# Allegro board 1155001-Timing_board_V3_20241024_1805_pcb.brd (continued)
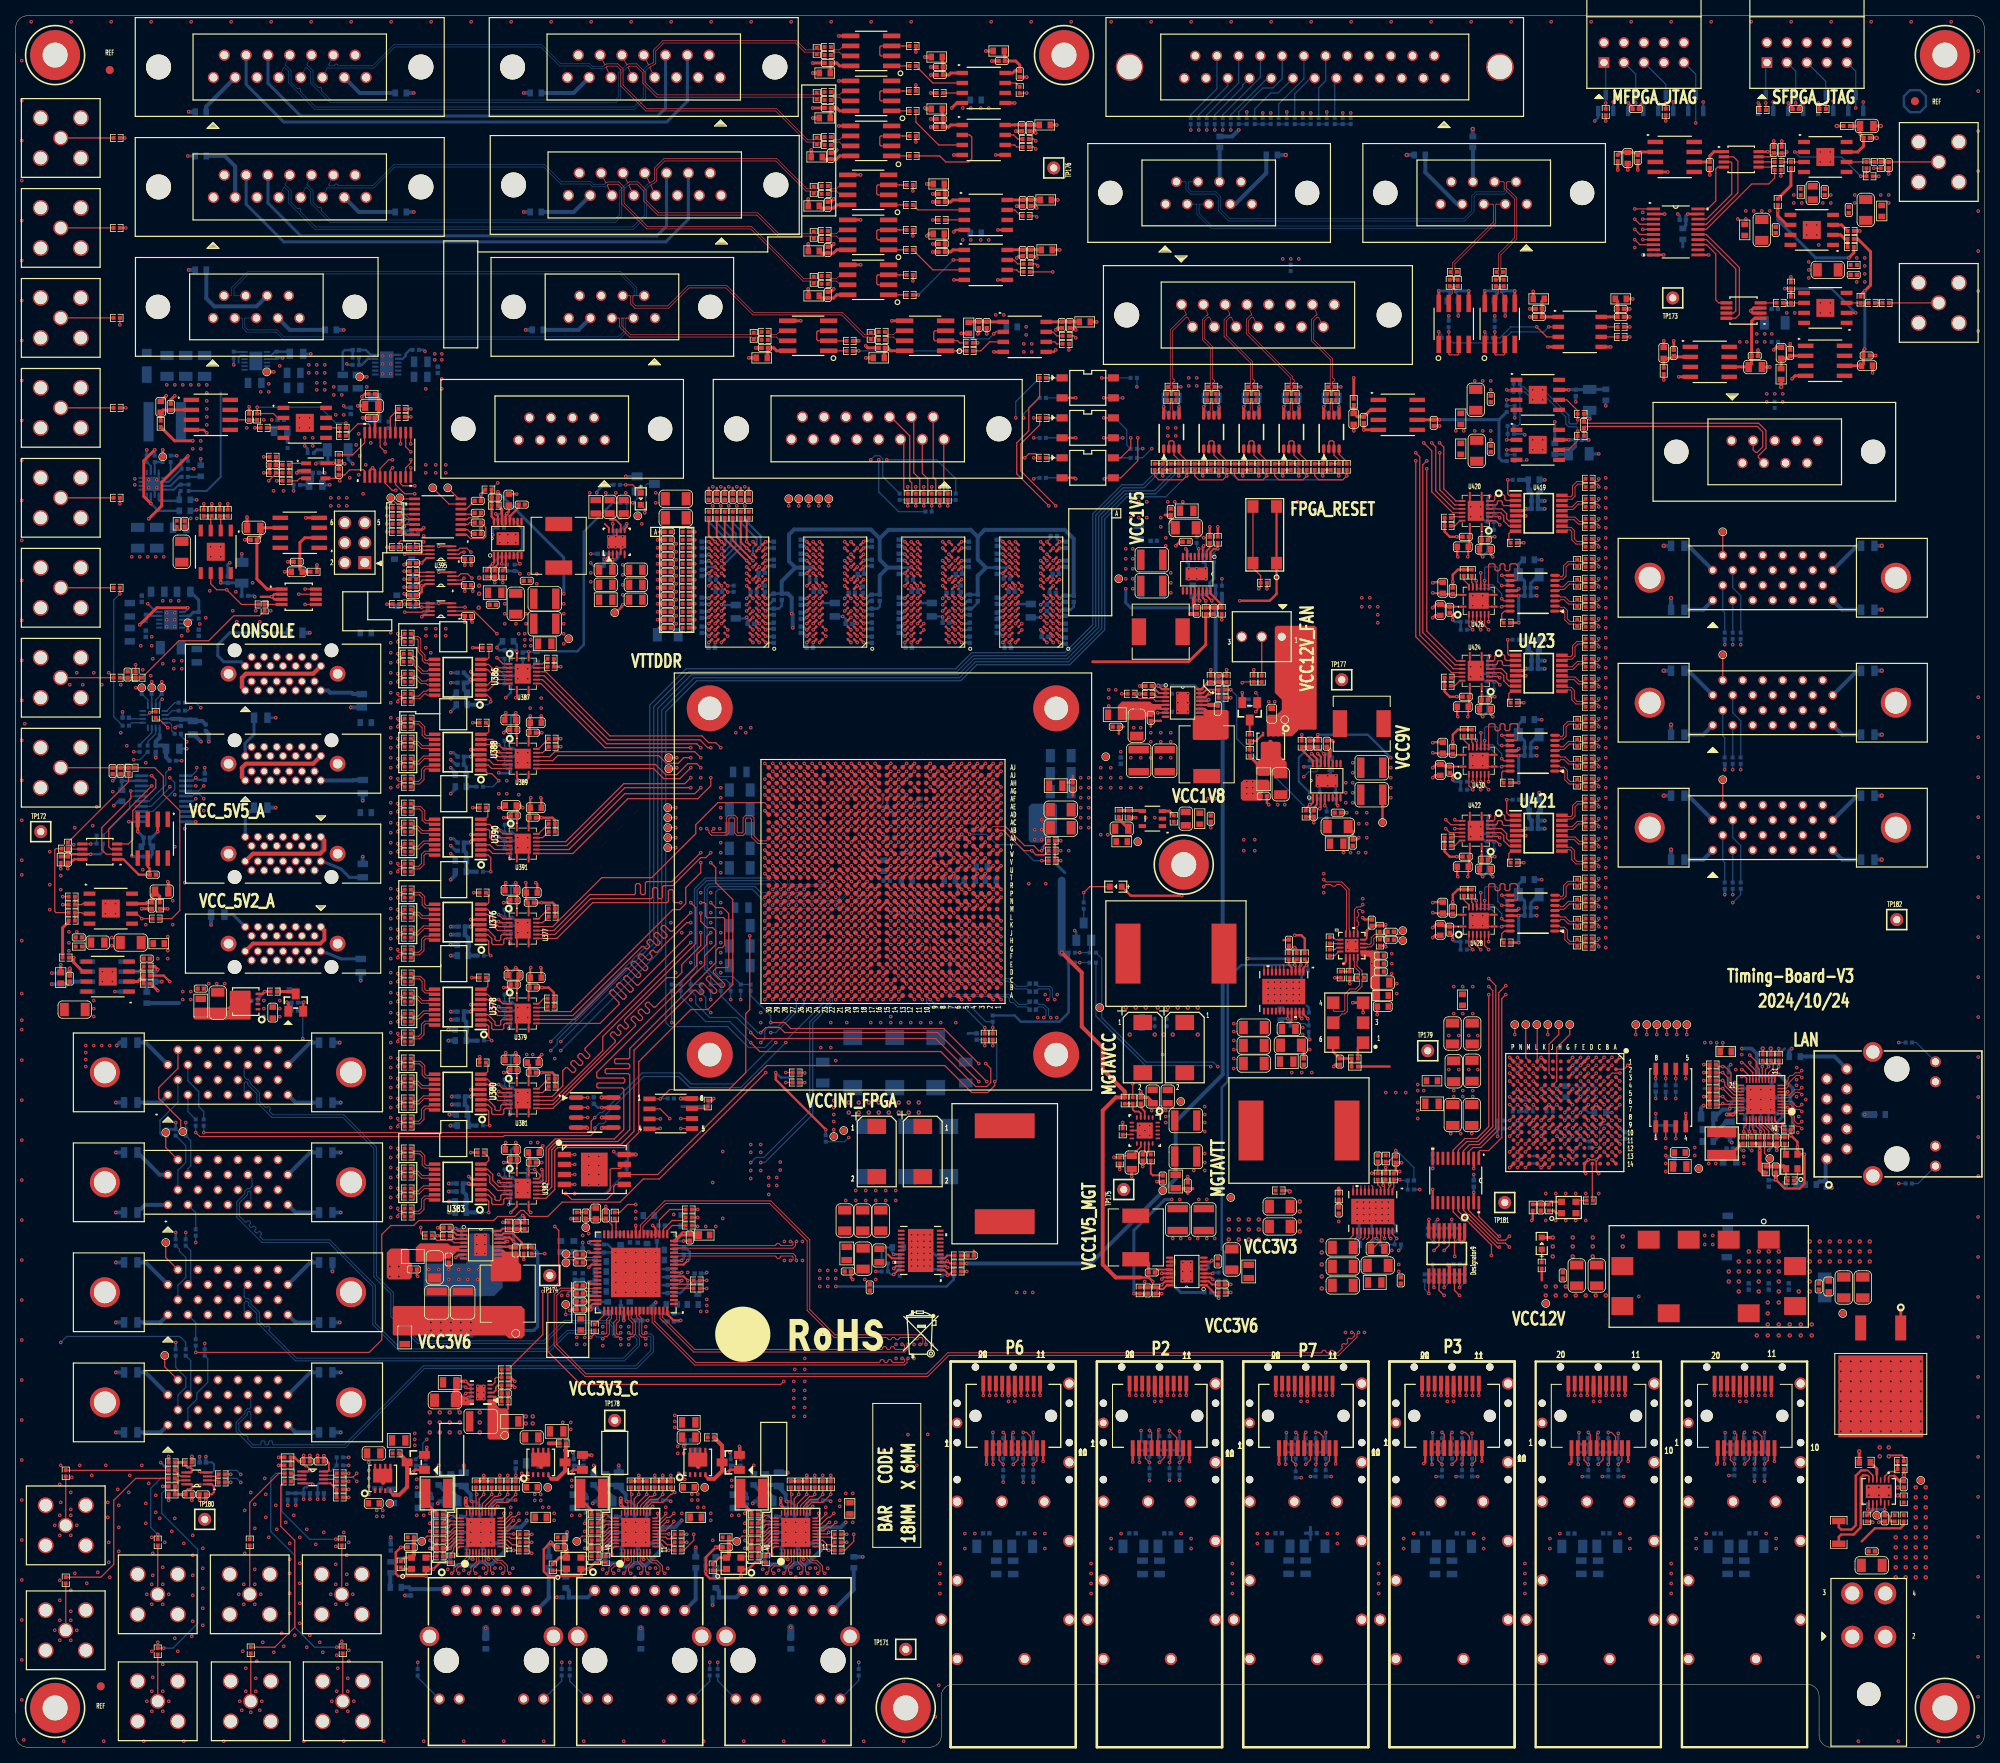
[diagram p0: board, top side]
## Placement (name value [footprint] x y rotation side) (continued)
C2984  0.1UF  [C0402]  125.22 214.25 0 top
C2985  0.01UF  [C0402]  127.51 212.6 270 top
C2986  0.1UF  [C0402]  103.12 184.53 270 top
C2987  0.1UF  [C0402]  103.12 190.25 270 top
C2988  0.1UF  [C0402]  103.12 195.96 270 top
C2989  0.1UF  [C0402]  117.6 189.99 0 top
C2990  0.01UF  [C0402]  117.6 191.01 180 top
C2991  0.1UF  [C0402]  128.91 189.87 90 top
C2992  0.01UF  [C0402]  127.89 189.87 270 top
C2993  0.1UF  [C0402]  117.6 196.34 0 top
C2994  0.01UF  [C0402]  117.6 197.36 180 top
C2995  0.1UF  [C0402]  128.91 196.22 90 top
C2996  0.01UF  [C0402]  127.89 196.22 270 top
C2997  10UF  [C1206]  21.08 151.89 270 top
C2998  0.1UF  [C0402]  21.46 155.45 270 top
C2999  10UF  [C1206]  28.7 149.22 90 bottom
C3000  0.1UF  [C0402]  26.92 148.34 270 bottom
C3001  0.1UF  [C0402]  8 102.9 0 top
C3002  10UF  [C0805]  10.41 102.23 0 top
C3003  2.2UF  [C0402]  13.32 124.06 90 top
C3004  2.2UF  [C0402]  12.3 124.06 90 top
C3005  0.47UF  [C0603]  23.5 162.18 270 bottom
C3006  1UF  [C0603]  21.46 157.1 0 bottom
C3007  1UF  [C0603]  21.46 158.5 0 bottom
C3008  1UF  [C0603]  17.02 97.28 0 bottom
C3009  0.1UF  [C0402]  16.64 98.55 180 bottom
C3010  1UF  [C0603]  5.71 97.66 90 bottom
C3011  0.1UF  [C0402]  6.86 97.66 270 bottom
C3012  10UF  [C1206]  14.61 102.23 180 top
C3013  0.1UF  [C0402]  16.64 100.2 180 top
C3014  0.1UF  [C0402]  6.86 97.66 270 top
C3015  10UF  [C1206]  7.49 93.73 0 top
C3016  4.7UF  [C0805]  18.03 146.81 0 bottom
C3017  4.7UF  [C0805]  14.48 141.35 270 bottom
C3018  0.1UF  [C0402]  23.24 141.6 270 bottom
C3019  10UF  [C1206]  19.68 139.7 180 bottom
C3022  0.1UF  [C0402]  220.57 27.19 0 bottom
C3023  0.1UF  [C0402]  216.13 27.16 180 bottom
C3024  22UF  [C1206]  220.7 25.54 0 bottom
C3025  22UF  [C1206]  216.26 25.51 180 bottom
C3026  0.1UF  [C0402]  197.55 27.16 180 bottom
C3027  0.1UF  [C0402]  202 27.19 0 bottom
C3028  22UF  [C1206]  202.13 25.54 0 bottom
C3029  22UF  [C1206]  197.68 25.51 180 bottom
C3030  1UF  [C0603]  183.77 152.53 0 top
C3031  0.1UF  [C0402]  186.56 153.42 180 top
C3032  0.1UF  [C0402]  184.15 153.8 0 top
C3033  1UF  [C0603]  186.59 152.22 180 top
C3034  1UF  [C0603]  183.77 111.89 0 top
C3035  0.1UF  [C0402]  186.56 112.78 180 top
C3036  1UF  [C0603]  186.59 111.58 180 top
C3037  0.1UF  [C0402]  184.15 113.16 0 top
C3038  1UF  [C0603]  192.91 119 0 bottom
C3039  0.1UF  [C0402]  192.91 117.73 180 bottom
C3040  1000PF  [C0402]  192.91 116.71 0 bottom
C3041  1UF  [C0603]  192.91 159.64 0 bottom
C3042  0.1UF  [C0402]  192.91 158.37 180 bottom
C3043  1000PF  [C0402]  192.91 157.35 0 bottom
C3044  1UF  [C0603]  183.77 132.21 0 top
C3045  1UF  [C0603]  186.59 131.9 180 top
C3046  0.1UF  [C0402]  186.56 133.1 180 top
C3047  0.1UF  [C0402]  184.15 133.48 0 top
C3048  1UF  [C0603]  192.79 139.45 0 bottom
C3049  0.1UF  [C0402]  192.91 138.05 180 bottom
C3050  1000PF  [C0402]  192.91 137.03 0 bottom
C3052  0.1UF  [C0402]  192.02 146.3 180 bottom
C3053  1000PF  [C0402]  192.02 147.32 0 bottom
C3060  10UF  [C1206]  192.15 148.97 0 bottom
C3061  0.1UF  [C0402]  192.03 105.66 180 bottom
C3062  1000PF  [C0402]  192.03 106.68 0 bottom
C3063  10UF  [C1206]  192.15 108.33 0 bottom
C3064  0.1UF  [C0402]  192.03 125.98 180 bottom
C3065  1000PF  [C0402]  192.03 127 0 bottom
C3066  10UF  [C1206]  192.15 128.65 0 bottom
C3067  0.1UF  [C0402]  182.5 146.94 90 top
C3068  1UF  [C0603]  181.23 147.32 90 top
C3069  0.1UF  [C0402]  182.12 144.53 270 top
C3070  1UF  [C0603]  180.92 144.5 270 top
C3071  0.1UF  [C0402]  182.5 106.3 90 top
C3072  1UF  [C0603]  181.23 106.68 90 top
C3073  0.1UF  [C0402]  182.12 103.89 270 top
C3074  1UF  [C0603]  180.93 103.86 270 top
C3075  0.1UF  [C0402]  182.5 126.62 90 top
C3076  1UF  [C0603]  181.23 127 90 top
C3077  0.1UF  [C0402]  182.12 124.21 270 top
C3078  1UF  [C0603]  180.93 124.18 270 top
C3079  0.1UF  [C0402]  179.96 74.93 270 bottom
C3080  0.1UF  [C0402]  185.17 71.63 90 bottom
C3081  0.1UF  [C0402]  205.99 201.93 90 top
C3082  1UF  [C0603]  204.72 201.93 270 top
C3083  0.1UF  [C0402]  215.14 201.04 90 top
C3084  0.1UF  [C0402]  223.27 202.95 270 top
C3085  0.1UF  [C0402]  208.03 189.61 180 bottom
C3086  0.1UF  [C0402]  211.71 194.06 180 bottom
C3087  0.1UF  [C0402]  229.74 197.61 90 top
C3088  10UF  [C0805]  228.22 197.49 270 top
C3089  10UF  [C0805]  235.08 205.99 0 top
C3090  0.1UF  [C0402]  235.08 204.47 180 top
C3091  0.1UF  [C0402]  167.11 169.43 180 bottom
C3092  0.1UF  [C0402]  23.5 96.39 180 top
C3093  10UF  [C1206]  25.65 94.61 90 top
C3094  1UF  [C0603]  32.64 93.34 270 top
C3095  10UF  [C0805]  167.13 171.45 0 bottom
C3098  1UF  [C0603]  224.2 177.18 90 top
C3099  0.1UF  [C0402]  225.34 177.18 270 top
C3100  1UF  [C0603]  235.11 175.54 0 top
C3101  0.1UF  [C0402]  235.06 176.83 180 top
C3102  0.1UF  [C0402]  232.79 195.33 270 top
C3103  10UF  [C1206]  234.95 195.33 90 top
C3104  0.1UF  [C0402]  223.52 192.79 270 top
C3105  10UF  [C1206]  221.74 192.79 90 top
C3106  10UF  [C1206]  230.12 187.71 180 top
C3107  0.1UF  [C0402]  233.43 187.07 180 top
C3108  10UF  [C1206]  223.39 180.97 180 bottom
C3109  0.1UF  [C0402]  223.39 182.75 0 bottom
C3110  0.1UF  [C0402]  210.57 177.16 270 top
C3111  1UF  [C0603]  209.3 177.16 90 top
C3112  0.1UF  [C0402]  220.85 176.78 180 top
C3113  10UF  [C0805]  220.92 175.37 0 top
C3114  0.1UF_DNP  [C0402]  237.87 201.02 90 top
C3115  0.1UF  [C0402]  156.95 169.43 180 bottom
C3116  10UF  [C0805]  156.97 171.45 0 bottom
C3117  0.1UF  [C0402]  151.87 169.43 180 bottom
C3118  10UF  [C0805]  151.89 171.45 0 bottom
C3119  0.1UF  [C0402]  146.79 169.43 180 bottom
C3120  10UF  [C0805]  146.81 171.45 0 bottom
C3121  0.1UF  [C0402]  162.03 169.43 180 bottom
C3122  10UF  [C0805]  162.05 171.45 0 bottom
C3131  10UF  [C1206]  199.9 171.2 270 bottom
C3132  0.1UF  [C0402]  198.12 172.09 90 bottom
C3136  1UF  [C0603]  169.93 168.78 270 top
C3137  0.1UF  [C0402]  171.2 168.66 90 top
C3138  0.1UF  [C0402]  180.09 168.28 90 top
C3139  10UF  [C1206]  185.55 164.72 90 top
C3140  0.1UF  [C0402]  187.32 164.97 270 top
C3141  10UF  [C1206]  198.5 164.34 0 bottom
C3142  0.1UF  [C0402]  198.5 166.12 180 bottom
C3143  10UF  [C1206]  185.42 171.2 90 top
C3144  0.1UF  [C0402]  187.32 171.32 270 top
C3145  0.1UF  [C0402]  203.84 182.75 180 top
C3146  0.01UF  [C0402]  203.84 181.74 0 top
C3147  0.1UF  [C0402]  193.42 181.74 0 top
C3148  0.01UF  [C0402]  193.42 182.75 180 top
C3149  0.1UF  [C0402]  182.5 185.04 180 bottom
C3150  0.1UF  [C0402]  188.47 185.04 180 bottom
C3151  0.1UF_DNP  [C0402]  199.16 168.02 270 top
CC1  330UF  [C2917X]  113.28 75.69 0 bottom
CC2  330UF  [C2917X]  111.63 87 180 bottom
CC3  330UF  [C2917X]  118.49 75.69 0 bottom
CC4  330UF  [C2917X]  106.3 87 180 bottom
CC5  330UF  [C2917X]  107.95 75.69 0 bottom
CC6  330UF  [C2917X]  116.84 87 180 bottom
CC7  330UF  [C2917X]  109.35 75.69 180 top
CC8  330UF  [C2917X]  115.19 75.69 180 top
CC13  330UF  [C2917X]  143.13 88.9 180 top
CC14  330UF  [C2917X]  148.46 88.9 180 top
D1  BAT54SLT1G  [SOT-23]  213.36 208.91 180 bottom
D2  BAT54SLT1G  [SOT-23]  209.55 208.91 180 bottom
D3  BAT54SLT1G  [SOT-23]  205.74 208.91 180 bottom
D4  BAT54SLT1G  [SOT-23]  201.93 208.91 180 bottom
D5  BAT54SLT1G  [SOT-23]  233.68 208.91 180 bottom
D6  BAT54SLT1G  [SOT-23]  229.87 208.91 180 bottom
D7  BAT54SLT1G  [SOT-23]  226.06 208.91 180 bottom
D8  BAT54SLT1G  [SOT-23]  222.25 208.91 180 bottom
D9  DFLS240-7  [POWERDI123_DIO]  16.64 175.51 90 bottom
DS10  SML-LX0603GW-TR  [LED_0603]  139.7 109.35 180 top
DS18  SML-LX0603GW-TR  [LED_0603]  79.38 158.62 270 top
DS24  SML-LX0603GW-TR  [LED_0603]  193.8 64.01 90 top
J1  JTAG  [SBH11-PBPC-D05-ST-BK]  206.78 215.33 0 top
J6  KRJ-320DNL  [KRJ-320DNL_14P]  238.9 80.47 90 top
J18  -  [0039301040]  235.33 10.55 0 top
J31  -  [RF2-04A-T-00-50-G]  5.71 158.75 90 top
J56  JTAG  [SBH11-PBPC-D05-ST-BK]  227.48 215.33 0 top
J61  -  [0022112032]  158.24 141.1 180 top
J62  -  [10226-6212PC]  26.95 43.81 0 top
J63  -  [RF2-04A-T-00-50-G]  5.71 170.18 90 top
J64  -  [RF2-04A-T-00-50-G]  5.71 193.04 90 top
J65  -  [RF2-04A-T-00-50-G]  5.71 204.47 90 top
J66  -  [RF2-04A-T-00-50-G]  5.71 124.46 0 top
J73  -  [10226-6212PC]  26.95 71.78 0 top
J74  -  [10226-6212PC]  26.95 85.75 0 top
J77  -  [12226-1150-00FR]  33.95 136.4 180 top
J80  -  [12226-1150-00FR]  33.95 113.54 0 top
J81  -  [12226-1150-00FR]  33.95 102.11 0 top
J82  DB25  [D25P24A4GV00LF]  164.97 213.49 180 top
J84  DB9  [LD09P24A4GV00LF]  69.34 167.51 180 top
J86  DB15  [L717SDAH15POL2RM8]  79.76 213.49 180 top
J87  DB9  [LD09S24A4GV00LF]  30.56 183.01 180 top
J89  DB9  [LD09P24A4GV00LF]  75.72 183.01 180 top
J91  DB15  [L77SDAH15SOL2RM8]  34.8 198.25 180 top
J92  DB15  [L77SDAH15SOL2RM8]  34.8 213.49 180 top
J93  DB15  [L717SDAH15POL2RM8]  79.88 198.5 180 top
J94  -  [10226-6212PC]  26.95 57.81 0 top
J95  -  [RF2-04A-T-00-50-G]  5.71 147.32 0 top
J96  -  [RF2-04A-T-00-50-G]  5.71 135.89 0 top
J103  DB15  [L717SDAH15POL2RM8]  108.2 167.51 180 top
J104  -  [12226-1150-00FR]  33.95 124.97 180 top
J105  -  [RF2-04A-T-00-50-G]  5.71 181.61 90 top
J106  KRJ-320DNL  [KRJ-320DNL_14P]  79.25 11.03 0 top
J107  KRJ-320DNL  [KRJ-320DNL_14P]  98.08 11.03 0 top
J109  KRJ-320DNL  [KRJ-320DNL_14P]  60.41 11.03 0 top
J112  -  [10226-6212PC]  223.14 148.59 0 top
J113  -  [10226-6212PC]  223.14 116.84 0 top
J114  -  [10226-6212PC]  223.14 132.72 0 top
J115  CON_2X3_DNP  [CON_2X3]  43.05 153.05 90 top
J116  RF2-04A-T-00-50-G_DNP  [RF2-04A-T-00-50-G]  18.03 19.43 270 top
J117  RF2-04A-T-00-50-G_DNP  [RF2-04A-T-00-50-G]  18.03 5.84 270 top
J118  RF2-04A-T-00-50-G_DNP  [RF2-04A-T-00-50-G]  6.35 14.86 270 top
J119  RF2-04A-T-00-50-G_DNP  [RF2-04A-T-00-50-G]  6.35 28.19 270 top
J120  RF2-04A-T-00-50-G_DNP  [RF2-04A-T-00-50-G]  41.4 19.43 270 top
J121  RF2-04A-T-00-50-G_DNP  [RF2-04A-T-00-50-G]  41.53 5.84 270 top
J122  RF2-04A-T-00-50-G_DNP  [RF2-04A-T-00-50-G]  29.72 19.43 270 top
J123  RF2-04A-T-00-50-G_DNP  [RF2-04A-T-00-50-G]  29.84 5.84 270 top
J125  -  [RF2-04A-T-00-50-G]  244.22 183.51 90 top
J126  -  [RF2-04A-T-00-50-G]  244.22 201.42 180 top
J127  DB15  [L717SDAH15POL2RM8]  157.76 181.97 0 top
J130  DB9  [LD09P24A4GV00LF]  223.39 164.59 0 top
J131  DB9  [LD09S24A4GV00LF]  151.51 197.49 180 top
J132  DB9  [LD09P24A4GV00LF]  186.44 197.49 180 top
L3  BLM18SG121TN1D  [L0603]  113.16 110.11 180 bottom
L5  BLM18SG121TN1D  [L0603]  110.24 112.01 90 bottom
L6  BLM21SN300SN1D  [L0805]  182.41 22.86 90 bottom
L7  BLM21SN300SN1D  [L0805]  180.25 22.86 90 bottom
L11  BLM21SN300SN1D  [L0805]  143.1 22.86 90 bottom
L12  BLM21SN300SN1D  [L0805]  145.25 22.86 90 bottom
L34  BLM21SN300SN1D  [L0805]  132.08 122.17 0 top
L35  BLM18SG121TN1D  [L0603]  183.74 94.96 90 top
L36  BLM21SN300SN1D  [L0805]  179.86 81.76 180 top
L40  BLM18SG121TN1D_DNP  [L0603]  201.22 80.65 0 bottom
L41  BLM18SG121TN1D_DNP  [L0603]  196.85 83.31 270 bottom
L42  BLM18SG121TN1D  [L0603]  236.73 80.39 0 bottom
L43  BLM18SG121TN1D  [L0603]  179.86 84.68 180 top
L44  BLM18SG121TN1D_DNP  [L0603]  225.43 71.5 0 bottom
L45  BLM15PD121SN1D  [L0402]  222.25 73.41 270 top
L47  BLM15PD121SN1D  [L0402]  19.94 125.35 180 bottom
L48  BLM15PD121SN1D  [L0402]  24.13 129.54 90 bottom
L54  BLM15PD121SN1D  [L0402]  170.05 86.49 0 top
L55  BLM15PD121SN1D  [L0402]  192.66 68.58 270 top
L56  BLM18SG121TN1D  [L0603]  173.61 95.5 180 top
L57  BLM18SG121TN1D  [L0603]  86.61 58.29 90 bottom
L58  BLM18SG121TN1D  [L0603]  87.43 65.08 180 top
L59  BLM18SG121TN1D  [L0603]  80.39 67.56 0 bottom
L60  BLM18SG121TN1D  [L0603]  74.75 65.1 0 bottom
L61  BLM18SG121TN1D  [L0603]  70.87 63.63 270 bottom
L62  BLM18SG121TN1D  [L0603]  69.22 63.63 270 bottom
L63  BLM18SG121TN1D  [L0603]  71.75 53.72 90 top
L64  BLM18SG121TN1D  [L0603]  80.01 55.5 180 bottom
L65  BLM18SG121TN1D  [L0603]  85.98 56.26 180 bottom
L85  0.44UH  [PA0513_441NLT]  125.6 72.77 270 top
L86  IHLP2525CZER2R2M01  [IHLP_2525CZ_01]  151.26 126.16 270 top
L87  BLM21SN300SN1D  [L0805]  167.77 114.81 180 top
L88  IHLP2525CZER4R7M01  [IHLP_2525CZ_01]  170.94 130.05 0 top
L89  BLM21SN300SN1D  [L0805]  105.54 62.74 90 top
L90  BLM21SN300SN1D  [L0805]  139.57 131.19 0 top
L91  BLM21SN300SN1D  [L0805]  91.95 123.92 0 bottom
L92  BLM21SN300SN1D  [L0805]  142.62 154.31 90 bottom
L93  BLM21SN300SN1D  [L0805]  148.72 157.1 0 top
L94  IHLP2525CZER2R2M01  [IHLP_2525CZ_01]  145.41 141.73 180 top
L95  BLM21SN300SN1D  [L0805]  74.93 145.8 0 top
L96  BLM21SN300SN1D  [L0805]  73.66 157.61 90 top
L97  0.44UH  [PA0513_441NLT]  163.07 78.36 0 top
L98  BLM21SN300SN1D  [L0805]  172.59 59.05 180 top
L99  0.44UH  [PA0513_441NLT]  147.45 100.84 0 top
L100  BLM21SN300SN1D  [L0805]  161.42 87.12 180 top
L101  BLM21SN300SN1D  [L0805]  156.59 60.45 90 top
L102  IHLP2525CZER2R2M01  [IHLP_2525CZ_01]  142.24 64.77 90 top
L103  BLM21SN300SN1D  [L0805]  147.32 71.88 90 top
L116  IHLP2525CZER4R7M01  [IHLP_2525CZ_01]  62.48 57.63 270 top
L117  BLM21SN300SN1D  [L0805]  50.42 62.36 0 top
L118  BLM21SN300SN1D  [L0805]  49.4 52.07 270 top
L122  BLM21SN300SN1D  [L0805]  55.12 46.35 0 top
L131  BLM21SN300SN1D  [L0805]  51.44 176.02 180 bottom
L134  BLM21SN300SN1D  [L0805]  158.5 122.99 90 top
L229  XAL6030-332MEC  [XAL6030]  18.92 168.4 180 bottom
L233  BLM21SN300SN1D  [L0805]  92.2 106.68 0 bottom
L242  BLM18SG121TN1D  [L0603]  225.93 87.76 0 bottom
L243  BLM18SG121TN1D  [L0603]  217.17 88.39 0 top
L244  BLM18SG121TN1D  [L0603]  214.88 76.96 0 bottom
L245  BLM18SG121TN1D  [L0603]  214.88 78.49 0 bottom
L246  -  [NRS4018T2R2MDGJ]  216.66 76.71 90 top
L257  BLM21SN300SN1D  [L0805]  124.52 22.86 90 bottom
L258  BLM21SN300SN1D  [L0805]  126.68 22.86 90 bottom
L259  BLM21SN300SN1D  [L0805]  161.66 22.88 90 bottom
L260  BLM21SN300SN1D  [L0805]  163.82 22.88 90 bottom
L264  BLM21SN300SN1D  [L0805]  35.31 172.72 0 bottom
L266  BLM15PD121SN1D  [L0402]  45.21 171.96 0 top
L267  BLM15PD121SN1D  [L0402]  37.47 164.47 0 bottom
L268  BLM15PD121SN1D  [L0402]  35.69 160.4 0 bottom
L269  BLM15PD121SN1D  [L0402]  47.37 168.02 90 bottom
L270  BLM15PD121SN1D  [L0402]  34.54 165.48 90 bottom
L271  BLM15PD121SN1D  [L0402]  18.41 168.15 90 top
L287  BLM21SN300SN1D  [L0805]  20.83 154.94 180 bottom
L288  BLM18SG121TN1D  [L0603]  34.04 96.14 180 bottom
L290  BLM18SG121TN1D  [L0603]  44.45 141.6 0 bottom
L292  BLM18SG121TN1D  [L0603]  44.45 118.75 0 bottom
L295  BLM21SN300SN1D  [L0805]  41.53 173.51 270 bottom
L312  BLM21SN300SN1D  [L0805]  60.83 146.69 0 top
L313  BLM21SN300SN1D  [L0805]  67.18 140.21 180 top
L314  IHLP2525CZER4R7M01  [IHLP_2525CZ_01]  68.96 152.65 270 top
L322  BLM15PD121SN1D  [L0402]  18.29 106.93 90 top
L330  BLM21SN300SN1D  [L0805]  62.99 41.4 0 top
L331  BLM15PD121SN1D  [L0402]  16.64 113.16 0 bottom
L332  BLM15PD121SN1D  [L0402]  5.71 112.78 90 top
L333  BLM21SN300SN1D  [L0805]  22.99 138.68 270 bottom
L334  BLM21SN300SN1D  [L0805]  14.48 144.53 270 bottom
L335  BLM15PD121SN1D  [L0402]  37.85 149.35 180 top
L336  BLM18SG121TN1D  [L0603]  13.46 120.9 270 bottom
L337  BLM18SG121TN1D_DNP  [L0603]  126.49 180.47 0 bottom
L338  BLM18SG121TN1D_DNP  [L0603]  23.5 187.71 180 bottom
L339  BLM18SG121TN1D_DNP  [L0603]  23.49 207.79 0 bottom
L340  BLM18SG121TN1D_DNP  [L0603]  121.92 209.3 180 bottom
L341  BLM18SG121TN1D_DNP  [L0603]  121.92 192.41 180 bottom
L342  BLM18SG121TN1D_DNP  [L0603]  23.5 202.18 0 bottom
L344  BLM18SG121TN1D  [L0603]  44.45 130.18 0 bottom
L345  BLM21SN300SN1D  [L0805]  211.33 73.79 0 top
L346  BLM18SG121TN1D  [L0603]  86.36 29.21 180 top
L347  BLM18SG121TN1D  [L0603]  73.41 34.04 270 bottom
L348  BLM18SG121TN1D  [L0603]  74.93 34.04 270 bottom
L349  -  [NRS4018T2R2MDGJ]  73.15 32.26 0 top
L350  BLM15PD121SN1D  [L0402]  69.22 26.67 180 top
L351  BLM18SG121TN1D  [L0603]  105.92 30.35 270 top
L352  BLM18SG121TN1D  [L0603]  93.73 34.04 270 bottom
L353  BLM18SG121TN1D  [L0603]  95.25 34.04 270 bottom
L354  -  [NRS4018T2R2MDGJ]  93.47 32.26 0 top
L355  BLM15PD121SN1D  [L0402]  90.17 26.67 180 top
L356  BLM18SG121TN1D  [L0603]  150.37 117.98 270 top
L357  BLM18SG121TN1D  [L0603]  140.46 115.06 180 top
L358  BLM21SN300SN1D_DNP  [L0805]  65.66 36.07 0 bottom
L359  BLM21SN300SN1D  [L0805]  68.71 40.13 180 top
L360  BLM21SN300SN1D_DNP  [L0805]  86.36 36.83 270 bottom
L361  BLM21SN300SN1D  [L0805]  85.47 41.27 0 top
L370  BLM18SG121TN1D  [L0603]  86.36 23.5 270 bottom
L371  BLM18SG121TN1D  [L0603]  106.43 23.5 270 bottom
L372  BLM18SG121TN1D  [L0603]  79.38 13.21 270 bottom
L373  BLM18SG121TN1D  [L0603]  98.42 13.21 270 bottom
L374  BLM18SG121TN1D_DNP  [L0603]  69.85 23.5 270 bottom
L375  BLM18SG121TN1D_DNP  [L0603]  88.9 23.5 270 bottom
L392  BLM15PD121SN1D  [L0402]  19.81 36.2 0 bottom
L393  BLM15PD121SN1D_DNP  [L0402]  19.81 35.18 0 bottom
L394  BLM15PD121SN1D  [L0402]  35.56 31.88 90 bottom
L395  BLM15PD121SN1D_DNP  [L0402]  34.54 31.88 90 bottom
L396  BLM15PD121SN1D  [L0402]  19.81 32.13 0 top
L397  BLM15PD121SN1D_DNP  [L0402]  19.81 33.15 0 top
L398  BLM15PD121SN1D  [L0402]  34.52 36.83 0 top
L399  BLM15PD121SN1D_DNP  [L0402]  34.52 35.81 0 top
L400  BLM18SG121TN1D  [L0603]  40.01 180.09 180 bottom
L401  BLM18SG121TN1D  [L0603]  66.29 180.09 0 bottom
L406  BLM18SG121TN1D  [L0603]  48.9 210.19 180 bottom
L407  BLM18SG121TN1D  [L0603]  66.04 210.19 0 bottom
L414  BLM18SG121TN1D  [L0603]  48.9 195.07 180 bottom
L415  BLM18SG121TN1D  [L0603]  66.04 195.07 0 bottom
L422  BLM18SG121TN1D  [L0603]  66.67 29.21 180 top
L423  BLM18SG121TN1D  [L0603]  53.72 34.04 270 bottom
L424  BLM18SG121TN1D  [L0603]  55.24 34.04 270 bottom
L425  -  [NRS4018T2R2MDGJ]  53.47 32.26 0 top
L426  BLM15PD121SN1D  [L0402]  50.16 26.67 180 top
L427  BLM21SN300SN1D_DNP  [L0805]  47.75 31.88 270 bottom
L428  BLM21SN300SN1D  [L0805]  48.64 38.99 180 top
L429  BLM18SG121TN1D  [L0603]  67.69 23.5 270 bottom
L430  BLM18SG121TN1D  [L0603]  59.69 13.21 270 bottom
L431  BLM18SG121TN1D_DNP  [L0603]  47.62 22.86 270 bottom
L432  BLM18SG121TN1D  [L0603]  56.77 78.99 0 bottom
L433  BLM18SG121TN1D  [L0603]  56.77 100.58 0 bottom
L434  BLM18SG121TN1D  [L0603]  56.52 89.79 0 bottom
L436  BLM18SG121TN1D  [L0603]  56.52 67.94 0 bottom
L437  BLM18SG121TN1D  [L0603]  56.52 111.25 0 bottom
L438  BLM18SG121TN1D  [L0603]  56.64 132.46 0 bottom
L439  BLM18SG121TN1D  [L0603]  56.52 122.05 0 bottom
L444  BLM18SG121TN1D  [L0603]  50.29 151.66 270 bottom
L445  BLM18SG121TN1D_DNP  [L0603]  48.11 151.66 270 bottom
L446  BLM18SG121TN1D  [L0603]  50.42 148.21 270 bottom
L448  BLM18SG121TN1D  [L0603]  50.44 145.67 270 bottom
L449  BLM18SG121TN1D_DNP  [L0603]  48.39 145.67 270 bottom
L459  BLM18SG121TN1D  [L0603]  94.74 176.53 180 top
L460  BLM18SG121TN1D  [L0603]  121.03 180.34 270 top
L461  BLM18SG121TN1D  [L0603]  135.76 181.1 180 top
L462  BLM18SG121TN1D  [L0603]  109.6 176.53 180 top
L463  BLM18SG121TN1D  [L0603]  101.73 202.06 180 top
L464  BLM18SG121TN1D  [L0603]  102.74 207.01 180 top
L465  BLM18SG121TN1D  [L0603]  102.74 212.72 180 top
L466  BLM18SG121TN1D  [L0603]  116.97 208.15 180 top
L467  BLM18SG121TN1D  [L0603]  130.68 206.12 180 top
L468  BLM18SG121TN1D  [L0603]  116.97 214.76 180 top
L469  BLM18SG121TN1D  [L0603]  124.84 215.52 0 top
L470  BLM18SG121TN1D  [L0603]  101.35 184.4 180 top
L471  BLM18SG121TN1D  [L0603]  101.35 190.12 180 top
L472  BLM18SG121TN1D  [L0603]  101.35 195.83 180 top
L473  BLM18SG121TN1D  [L0603]  117.22 192.28 180 top
L474  BLM18SG121TN1D  [L0603]  130.94 190.25 180 top
L475  BLM18SG121TN1D  [L0603]  117.22 198.63 180 top
L476  BLM18SG121TN1D  [L0603]  130.81 196.6 180 top
L477  BLM15PD121SN1D  [L0402]  20.45 155.45 270 top
L478  BLM15PD121SN1D  [L0402]  29.08 146.3 180 bottom
L479  BLM15PD121SN1D  [L0402]  8 101.73 0 top
L482  BLM18SG121TN1D  [L0603]  16.64 95.25 90 bottom
L483  BLM18SG121TN1D  [L0603]  5.71 97.79 90 top
L484  BLM18SG121TN1D  [L0603]  18.16 102.11 180 top
L485  BLM15PD121SN1D  [L0402]  167.13 172.85 0 bottom
L486  BLM21SN300SN1D  [L0805]  217.4 22.87 90 bottom
L487  BLM21SN300SN1D  [L0805]  219.53 22.87 90 bottom
L488  BLM21SN300SN1D  [L0805]  198.82 22.87 90 bottom
L489  BLM21SN300SN1D  [L0805]  200.96 22.87 90 bottom
L490  BLM18SG121TN1D  [L0603]  192.79 120.4 180 bottom
L491  BLM18SG121TN1D  [L0603]  192.79 161.04 180 bottom
L492  BLM18SG121TN1D  [L0603]  192.79 140.72 180 bottom
L493  BLM18SG121TN1D  [L0603]  192.15 150.88 180 bottom
L494  BLM18SG121TN1D  [L0603]  192.15 110.24 180 bottom
L495  BLM18SG121TN1D  [L0603]  192.15 130.56 180 bottom
L496  BLM15PD121SN1D  [L0402]  203.45 201.93 90 top
L497  BLM15PD121SN1D  [L0402]  224.28 202.95 90 top
L498  BLM18SG121TN1D  [L0603]  211.71 192.28 270 bottom
L499  BLM15PD121SN1D  [L0402]  226.69 197.61 90 top
L500  BLM15PD121SN1D  [L0402]  232.54 205.99 180 top
L502  BLM21SN300SN1D  [L0805]  23.5 94.23 270 top
L504  BLM15PD121SN1D  [L0402]  161.93 187.96 270 bottom
L505  BLM18SG121TN1D  [L0603]  219.58 192.79 90 top
L506  BLM18SG121TN1D  [L0603]  236.98 195.2 270 top
L507  BLM18SG121TN1D  [L0603]  224.2 174.46 90 top
L508  BLM15PD121SN1D  [L0402]  233.43 188.34 180 top
L509  BLM15PD121SN1D  [L0402]  223.39 178.56 180 bottom
L510  BLM15PD121SN1D  [L0402]  209.3 174.88 90 top
L511  BLM15PD121SN1D  [L0402]  156.97 172.85 0 bottom
L512  BLM15PD121SN1D  [L0402]  151.89 172.85 0 bottom
L513  BLM15PD121SN1D  [L0402]  146.81 172.85 0 bottom
L514  BLM15PD121SN1D  [L0402]  162.05 172.85 0 bottom
L526  BLM15PD121SN1D  [L0402]  223.39 170.56 270 bottom
L527  BLM15PD121SN1D  [L0402]  169.93 170.94 270 top
L528  BLM18SG121TN1D  [L0603]  183.51 164.97 270 top
L529  BLM18SG121TN1D  [L0603]  195.45 164.97 90 bottom
L530  BLM18SG121TN1D  [L0603]  183.51 168.78 90 top
L531  BLM18SG121TN1D  [L0603]  201.93 171.83 270 bottom
L532  BLM18SG121TN1D_DNP  [L0603]  152.91 203.96 90 bottom
L533  BLM18SG121TN1D  [L0603]  159.51 202.31 180 bottom
L534  BLM18SG121TN1D  [L0603]  178.31 202.31 0 bottom
L535  BLM18SG121TN1D_DNP  [L0603]  185.04 203.96 90 bottom
L536  BLM18SG121TN1D  [L0603]  203.84 184.02 180 top
L537  BLM18SG121TN1D  [L0603]  193.42 184.02 180 top
L538  BLM18SG121TN1D  [L0603]  182.5 183.77 0 bottom
L539  BLM18SG121TN1D  [L0603]  188.47 183.77 0 bottom
MH1  MH_125_250  [MH_250H125]  245 5 180 top
MH2  MH_125_250  [MH_250H125]  5 5 90 top
MH3  MH_125_250  [MH_250H125]  5 215 0 top
MH4  MH_125_250  [MH_250H125]  245 215 270 top
MH5  MH_125_250  [MH_250H125]  133.13 215 90 top
MH6  MH_125_250  [MH_250H125]  148.34 112.14 0 top
MH7  MH_125_250  [MH_250H125]  113.03 5 0 top
NOREF  -  []  104.01 52.32 0 top
NOREF#2  -  []  486.79 129.03 0 top
NOREF#3  -  []  1.5 0 90 top
NOREF#4  -  []  499.62 477.01 0 top
NOREF#5  -  []  468.88 272.54 0 top
NOREF#6  -  []  92.84 52.7 0 top
NOREF#7  -  []  523.88 354.71 0 top
NOREF#8  -  []  114.94 52.58 0 top
NOREF#9  -  []  523.75 418.59 0 top
NOREF#10  -  []  -83.19 -39.5 0 top
NOREF#11  -  []  0 218.5 0 top
P2  -  [0744410010_0747370010]  146.71 11.21 90 top
P3  -  [0744410010_0747370010]  183.86 11.21 90 top
P6  -  [0744410010_0747370010]  128.13 11.21 90 top
P7  -  [0744410010_0747370010]  165.28 11.21 90 top
P8  -  [0744410010_0747370010]  221.01 11.21 90 top
P9  -  [0744410010_0747370010]  202.43 11.21 90 top
Q1  PSMN1R1-40BS  [PSMN1R1]  236.85 45.59 180 top
Q10  -  [NDS331N]  80.01 160.53 90 bottom
Q15  -  [NDS331N]  135.64 103.63 180 bottom
Q20  CSD25402Q3A  [CSD25402]  159.38 127.18 270 top
Q21  -  [NDS331N]  156.72 131.62 180 top
Q22  CSD25402Q3A  [CSD25402]  66.67 36.2 90 top
Q23  -  [NDS331N]  70.87 36.2 90 top
Q24  CSD25402Q3A  [CSD25402]  86.61 36.2 90 top
Q25  -  [NDS331N]  90.81 36.2 90 top
Q26  CSD25402Q3A  [CSD25402]  46.61 34.16 90 top
Q27  -  [NDS331N]  50.8 36.2 90 top
Q28  CSD25402Q3A  [CSD25402]  29.21 94.74 180 top
Q29  -  [NDS331N]  35.56 94.61 0 top
R4  4.7K  [R0402]  124.08 92.58 270 bottom
R8  4.7K  [R0402]  131.83 153.92 0 bottom
R11  4.7K  [R0402]  179.87 37.08 270 bottom
R12  4.7K_DNP  [R0402]  181.14 37.08 270 bottom
R13  4.7K  [R0402]  182.41 37.08 270 bottom
R14  4.7K  [R0402]  183.68 38.86 90 bottom
R18  4.7K  [R0402]  146.52 37.34 270 bottom
R19  4.7K_DNP  [R0402]  143.98 37.34 270 bottom
R20  4.7K  [R0402]  142.71 37.34 270 bottom
R21  4.7K  [R0402]  146.52 39.12 90 bottom
R22  4.7K  [R0402]  145.25 37.34 270 bottom
R23  4.7K  [R0402]  147.79 37.34 270 bottom
R41  4.7K  [R0402]  158.5 147.96 0 top
R42  4.7K  [R0402]  134.11 99.69 0 bottom
R87  330  [R0402]  76.33 160.4 0 bottom
R123  4.7K  [R0402]  184.02 59.69 270 bottom
R124  4.7K  [R0402]  183.01 59.69 270 bottom
R127  4.7K  [R0402]  182.37 65.53 270 bottom
R128  4.7K  [R0402]  181.36 65.53 270 bottom
R129  4.7K  [R0402]  179.96 59.69 270 bottom
R130  4.7K  [R0402]  178.94 59.69 270 bottom
R131  4.7K  [R0402]  179.32 65.53 270 bottom
R132  4.7K  [R0402]  180.34 65.53 270 bottom
R133  4.7K  [R0402]  180.97 59.69 270 bottom
R134  4.7K  [R0402]  181.99 59.69 270 bottom
R159  80.6  [R0402]  111.51 118.01 90 bottom
R160  80.6  [R0402]  111.12 115.6 0 bottom
R161  80.6  [R0402]  114.94 120.14 90 bottom
R162  80.6  [R0402]  112.5 114 90 bottom
R163  80.6  [R0402]  121.54 116.99 90 bottom
R164  80.6  [R0402]  120.14 115.42 0 bottom